# KiCad board Logic_0.kicad_pcb (continued)
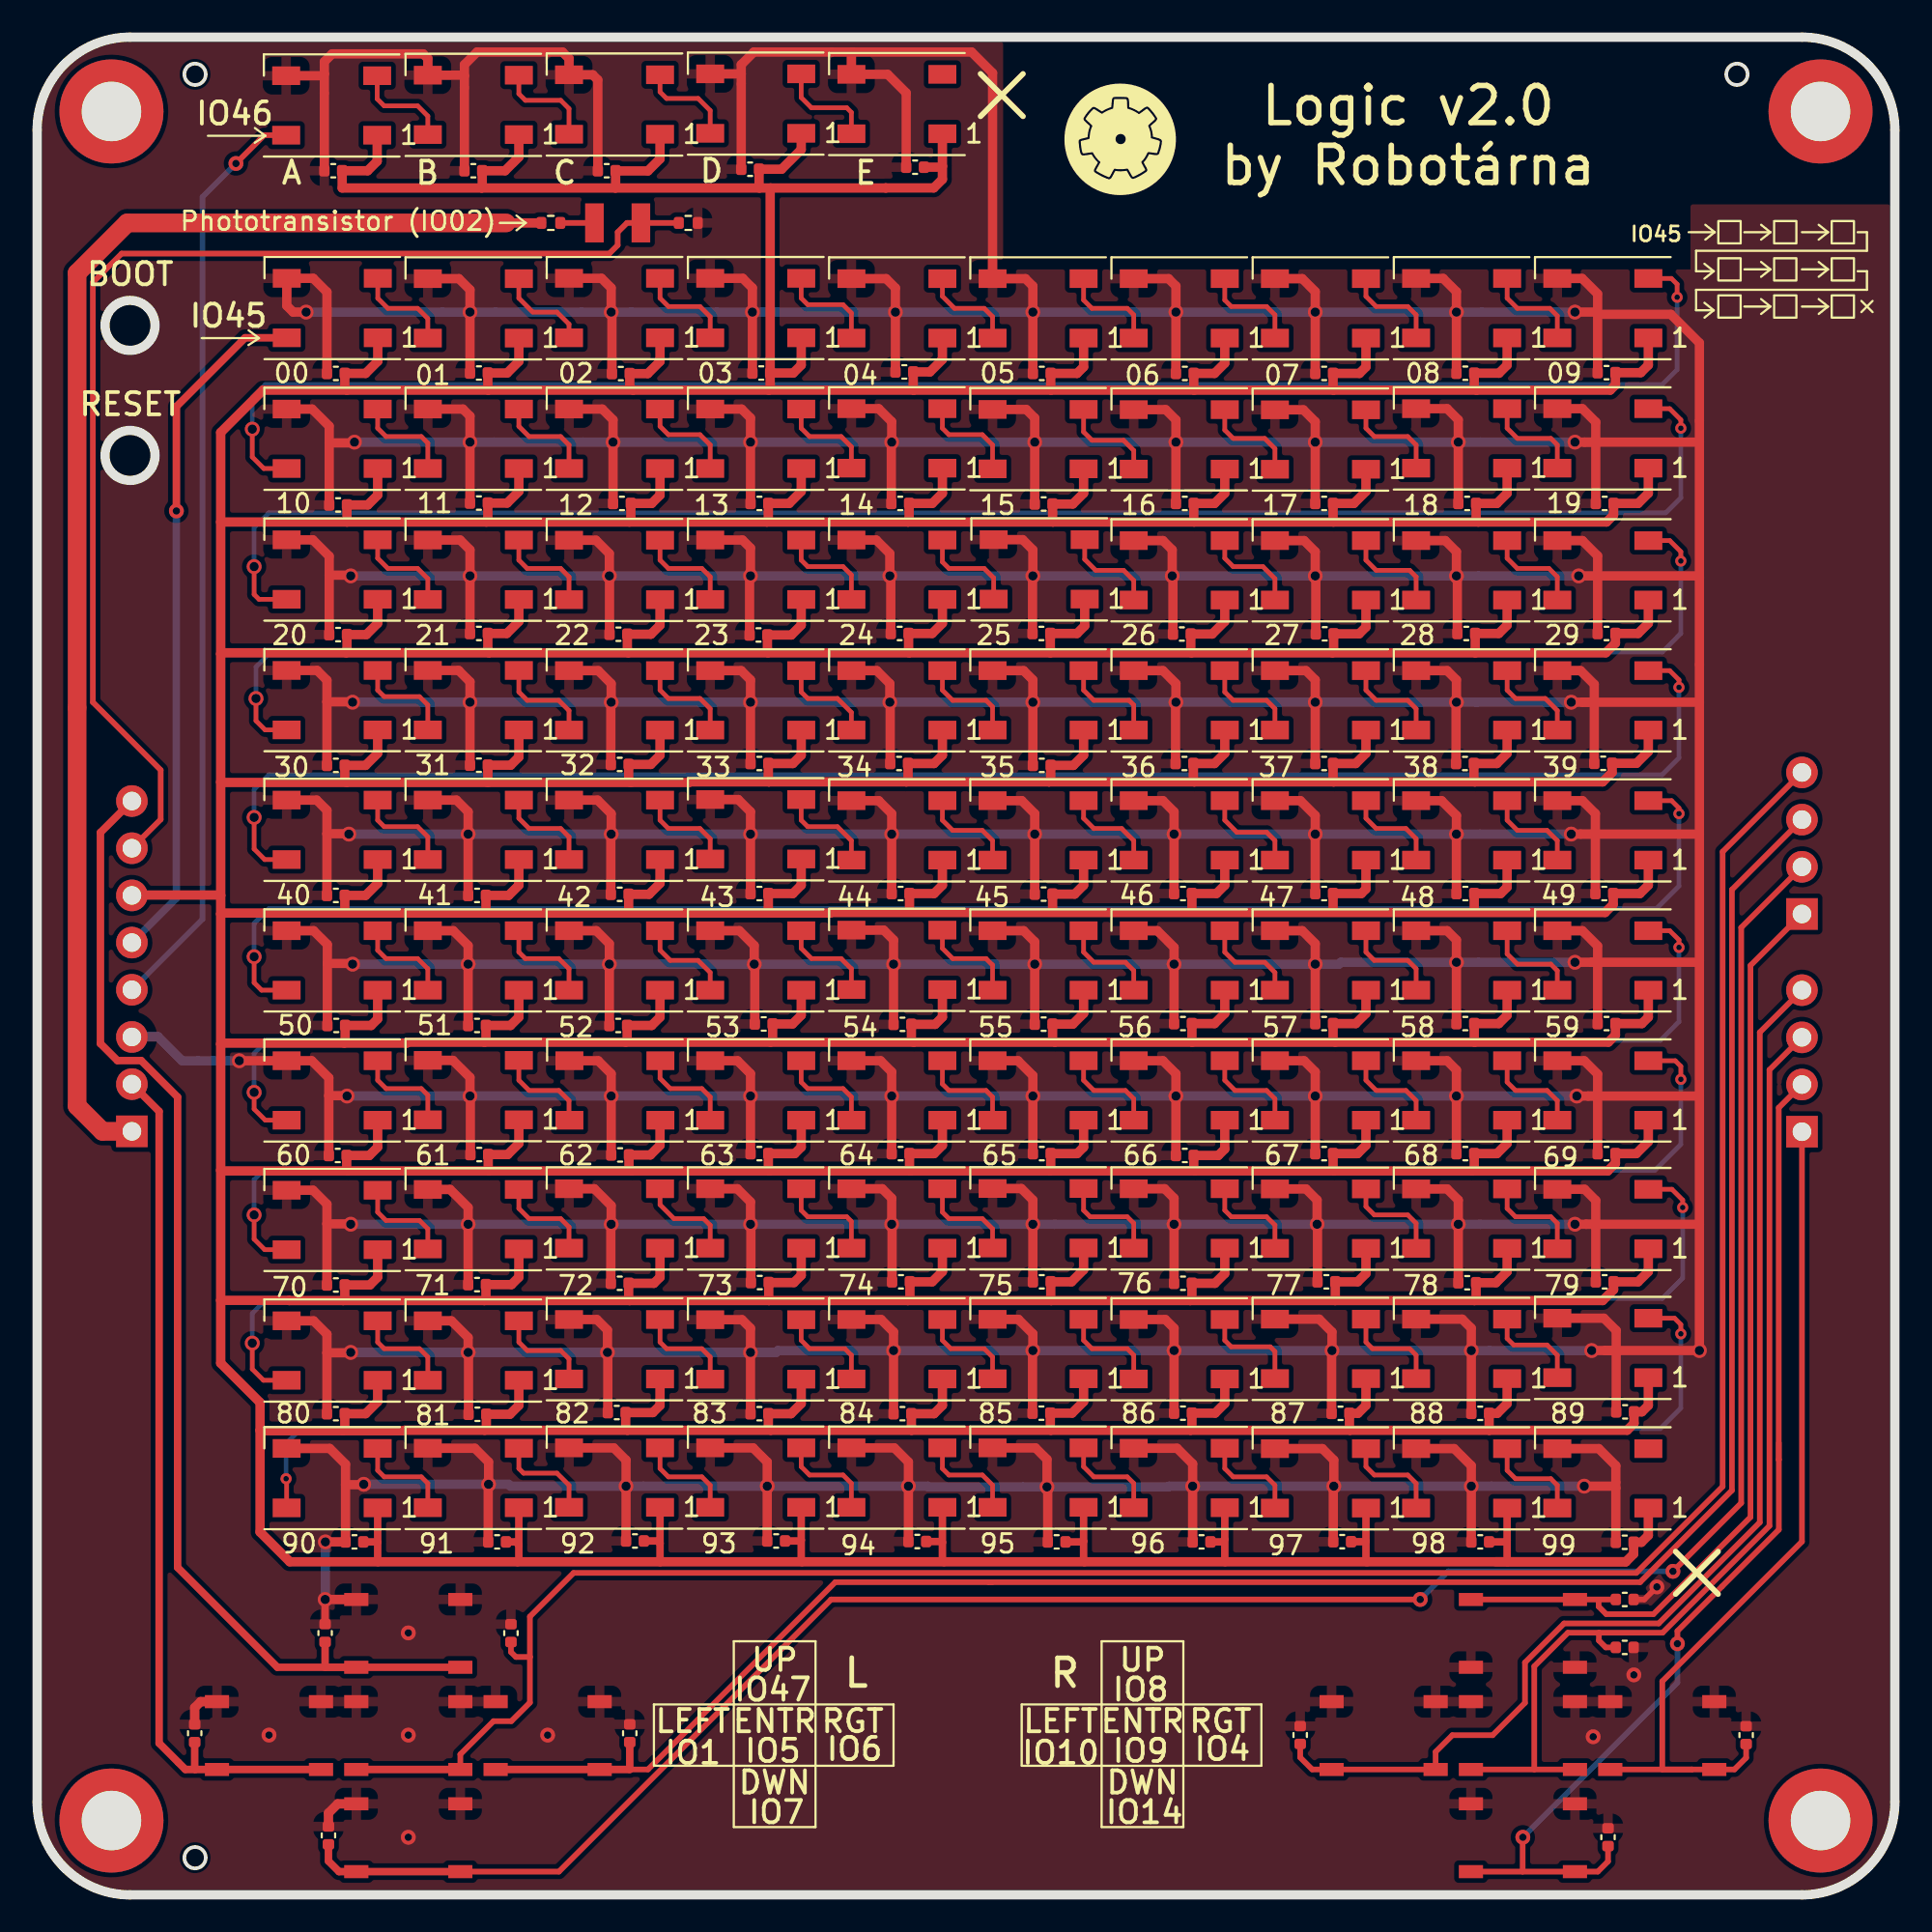
[diagram p0: board, top side]
## Nets
/ovladaci_prvky.sch/3V3: J4.1 R5.1
/ovladaci_prvky.sch/GND: C2.2 C3.2 C6.2 C7.2 C8.2 C9.2 C10.2 C11.1 C12.1 C13.1 C14.1 C15.2 C16.2 C17.1 C18.1 C19.1 C20.1 C21.2 C30.1 C31.2 C32.2 C33.2 C34.2 C35.2 C36.2 C37.2 C38.2 C39.2 C40.2 C41.2 C42.2 C43.2 C44.2 C45.2 C46.2 C47.2 C48.2 C49.2 C50.2 C51.2 C52.2 C53.2 C54.2 C55.2 C56.2 C57.2 C58.2 C59.2 C60.2 C61.2 C62.2 C63.2 C64.2 C65.2 C66.2 C67.2 C68.2 C69.2 C70.2 C71.2 C72.2 C73.2 C74.2 C75.2 C76.2 C77.2 C78.2 C79.2 C80.2 C81.2 C82.2 C83.2 C84.2 C85.2 C86.2 C87.2 C88.2 C89.2 C90.2 C91.2 C92.2 C93.2 C94.2 C95.2 C96.2 C97.2 C98.2 C99.2 C100.2 C101.2 C102.2 C103.2 C104.2 C105.2 C106.2 C107.2 C108.2 C109.2 C110.2 C111.2 C112.2 C113.2 C114.2 C115.2 C116.2 C117.2 C118.2 C119.2 C120.2 C121.2 C122.2 C123.2 C124.2 C125.2 C126.1 D3.3 D4.3 D5.3 D6.3 D12.3 D13.3 D14.3 D15.3 D16.3 D17.3 D18.3 D19.3 D20.3 D21.3 D22.3 D23.3 D24.3 D25.3 D26.3 D27.3 D28.3 D29.3 D30.3 D31.3 D32.3 D33.3 D34.3 D35.3 D36.3 D37.3 D38.3 D39.3 D40.3 D41.3 D42.3 D43.3 D44.3 D45.3 D46.3 D47.3 D48.3 D49.3 D50.3 D51.3 D52.3 D53.3 D54.3 D55.3 D56.3 D57.3 D58.3 D59.3 D60.3 D61.3 D62.3 D63.3 D64.3 D65.3 D66.3 D67.3 D68.3 D69.3 D70.3 D71.3 D72.3 D73.3 D74.3 D75.3 D76.3 D77.3 D78.3 D79.3 D80.3 D81.3 D82.3 D83.3 D84.3 D85.3 D86.3 D87.3 D88.3 D89.3 D90.3 D91.3 D93.3 D94.3 D95.3 D96.3 D97.3 D98.3 D99.3 D100.3 D101.3 D102.3 D103.3 D104.3 D105.3 D106.3 D107.3 D108.3 D109.3 D110.3 D111.3 D112.3 D113.3 J4.3 R13.2 SW2.2 SW3.2 SW4.2 SW5.2 SW7.2 SW8.2 SW9.2 SW10.2 SW11.2 SW12.2
/ovladaci_prvky.sch/DATA_HERNI_LED: D12.4 J4.5
/ovladaci_prvky.sch/DATA_ZADANI_LED: D3.4 J4.4
/ovladaci_prvky.sch/herni_pole_LED.sch/1.sch/DATA_OUT: D16.2 D17.4
/ovladaci_prvky.sch/herni_pole_LED.sch/2.sch/DATA_OUT: D21.2 D22.4
/ovladaci_prvky.sch/herni_pole_LED.sch/3.sch/DATA_OUT: D26.2 D27.4
/ovladaci_prvky.sch/herni_pole_LED.sch/4.sch/DATA_OUT: D31.2 D32.4
/ovladaci_prvky.sch/herni_pole_LED.sch/5.sch/DATA_OUT: D36.2 D37.4
/ovladaci_prvky.sch/herni_pole_LED.sch/6.sch/DATA_OUT: D41.2 D42.4
/ovladaci_prvky.sch/herni_pole_LED.sch/7.sch/DATA_OUT: D46.2 D47.4
/ovladaci_prvky.sch/herni_pole_LED.sch/8.sch/DATA_OUT: D51.2 D52.4
/ovladaci_prvky.sch/herni_pole_LED.sch/10.sch/DATA_IN: D56.2 D57.4
/ovladaci_prvky.sch/herni_pole_LED.sch/10.sch/DATA_OUT: D61.2 D62.4
/ovladaci_prvky.sch/herni_pole_LED.sch/11.sch/DATA_OUT: D66.2 D67.4
/ovladaci_prvky.sch/herni_pole_LED.sch/12.sch/DATA_OUT: D71.2 D72.4
/ovladaci_prvky.sch/herni_pole_LED.sch/13.sch/DATA_OUT: D76.2 D77.4
/ovladaci_prvky.sch/herni_pole_LED.sch/14.sch/DATA_OUT: D81.2 D82.4
/ovladaci_prvky.sch/herni_pole_LED.sch/15.sch/DATA_OUT: D86.2 D87.4
/ovladaci_prvky.sch/herni_pole_LED.sch/16.sch/DATA_OUT: D91.2 D93.4
/ovladaci_prvky.sch/herni_pole_LED.sch/17.sch/DATA_OUT: D97.2 D98.4
/ovladaci_prvky.sch/herni_pole_LED.sch/18.sch/DATA_OUT: D102.2 D103.4
/ovladaci_prvky.sch/herni_pole_LED.sch/19.sch/DATA_OUT: D107.2 D108.4
/ovladaci_prvky.sch/herni_pole_LED.sch/20.sch/DATA_OUT: D112.2
/ovladaci_prvky.sch/SENZOR_SVETLA: J4.7 Q3.2 R13.1
/ovladaci_prvky.sch/SW_2: C11.2 J6.4 SW2.1
/ovladaci_prvky.sch/SW_3: C12.2 J6.3 SW3.1
/ovladaci_prvky.sch/SW_4: C13.2 J5.4 SW4.1
/ovladaci_prvky.sch/SW_5: C14.2 J5.1 SW5.1
/ovladaci_prvky.sch/SW_7: C126.2 J4.2 SW7.1
/ovladaci_prvky.sch/SW_8: C17.2 J6.2 SW8.1
/ovladaci_prvky.sch/SW_9: C18.2 J5.2 SW9.1
/ovladaci_prvky.sch/SW_10: C19.2 J5.3 SW10.1
/ovladaci_prvky.sch/SW_11: C20.2 J6.1 SW11.1
/ovladaci_prvky.sch/SW_12: C30.2 J4.8 SW12.1
/ovladaci_prvky.sch/V_LED_1: C2.1 C3.1 C6.1 C7.1 C8.1 C9.1 C10.1 C15.1 C16.1 C21.1 C31.1 C32.1 C33.1 C34.1 C35.1 C36.1 C37.1 C38.1 C39.1 C40.1 C41.1 C42.1 C43.1 C44.1 C45.1 C46.1 C47.1 C48.1 C49.1 C50.1 C51.1 C52.1 C53.1 C54.1 C55.1 C56.1 C57.1 C58.1 C59.1 C60.1 C61.1 C62.1 C63.1 C64.1 C65.1 C66.1 C67.1 C68.1 C69.1 C70.1 C71.1 C72.1 C73.1 C74.1 C75.1 C76.1 C77.1 C78.1 C79.1 C80.1 C81.1 C82.1 C83.1 C84.1 C85.1 C86.1 C87.1 C88.1 C89.1 C90.1 C91.1 C92.1 C93.1 C94.1 C95.1 C96.1 C97.1 C98.1 C99.1 C100.1 C101.1 C102.1 C103.1 C104.1 C105.1 C106.1 C107.1 C108.1 C109.1 C110.1 C111.1 C112.1 C113.1 C114.1 C115.1 C116.1 C117.1 C118.1 C119.1 C120.1 C121.1 C122.1 C123.1 C124.1 C125.1 D3.1 D4.1 D5.1 D6.1 D12.1 D13.1 D14.1 D15.1 D16.1 D17.1 D18.1 D19.1 D20.1 D21.1 D22.1 D23.1 D24.1 D25.1 D26.1 D27.1 D28.1 D29.1 D30.1 D31.1 D32.1 D33.1 D34.1 D35.1 D36.1 D37.1 D38.1 D39.1 D40.1 D41.1 D42.1 D43.1 D44.1 D45.1 D46.1 D47.1 D48.1 D49.1 D50.1 D51.1 D52.1 D53.1 D54.1 D55.1 D56.1 D57.1 D58.1 D59.1 D60.1 D61.1 D62.1 D63.1 D64.1 D65.1 D66.1 D67.1 D68.1 D69.1 D70.1 D71.1 D72.1 D73.1 D74.1 D75.1 D76.1 D77.1 D78.1 D79.1 D80.1 D81.1 D82.1 D83.1 D84.1 D85.1 D86.1 D87.1 D88.1 D89.1 D90.1 D91.1 D93.1 D94.1 D95.1 D96.1 D97.1 D98.1 D99.1 D100.1 D101.1 D102.1 D103.1 D104.1 D105.1 D106.1 D107.1 D108.1 D109.1 D110.1 D111.1 D112.1 D113.1 J4.6
Net-(D3-Pad2): D3.2 D4.4
Net-(D4-Pad2): D4.2 D5.4
Net-(D5-Pad2): D5.2 D6.4
Net-(D12-Pad2): D12.2 D13.4
Net-(D13-Pad2): D13.2 D14.4
Net-(D14-Pad2): D14.2 D15.4
Net-(D15-Pad2): D15.2 D16.4
Net-(D17-Pad2): D17.2 D18.4
Net-(D18-Pad2): D18.2 D19.4
Net-(D19-Pad2): D19.2 D20.4
Net-(D20-Pad2): D20.2 D21.4
Net-(D22-Pad2): D22.2 D23.4
Net-(D23-Pad2): D23.2 D24.4
Net-(D24-Pad2): D24.2 D25.4
Net-(D25-Pad2): D25.2 D26.4
Net-(D27-Pad2): D27.2 D28.4
Net-(D28-Pad2): D28.2 D29.4
Net-(D29-Pad2): D29.2 D30.4
Net-(D30-Pad2): D30.2 D31.4
Net-(D32-Pad2): D32.2 D33.4
Net-(D33-Pad2): D33.2 D34.4
Net-(D34-Pad2): D34.2 D35.4
Net-(D35-Pad2): D35.2 D36.4
Net-(D37-Pad2): D37.2 D38.4
Net-(D38-Pad2): D38.2 D39.4
Net-(D39-Pad2): D39.2 D40.4
Net-(D40-Pad2): D40.2 D41.4
Net-(D42-Pad2): D42.2 D43.4
Net-(D43-Pad2): D43.2 D44.4
Net-(D44-Pad2): D44.2 D45.4
Net-(D45-Pad2): D45.2 D46.4
Net-(D47-Pad2): D47.2 D48.4
Net-(D48-Pad2): D48.2 D49.4
Net-(D49-Pad2): D49.2 D50.4
Net-(D50-Pad2): D50.2 D51.4
Net-(D52-Pad2): D52.2 D53.4
Net-(D53-Pad2): D53.2 D54.4
Net-(D54-Pad2): D54.2 D55.4
Net-(D55-Pad2): D55.2 D56.4
Net-(D57-Pad2): D57.2 D58.4
Net-(D58-Pad2): D58.2 D59.4
Net-(D59-Pad2): D59.2 D60.4
Net-(D60-Pad2): D60.2 D61.4
Net-(D62-Pad2): D62.2 D63.4
Net-(D63-Pad2): D63.2 D64.4
Net-(D64-Pad2): D64.2 D65.4
Net-(D65-Pad2): D65.2 D66.4
Net-(D67-Pad2): D67.2 D68.4
Net-(D68-Pad2): D68.2 D69.4
Net-(D69-Pad2): D69.2 D70.4
Net-(D70-Pad2): D70.2 D71.4
Net-(D72-Pad2): D72.2 D73.4
Net-(D73-Pad2): D73.2 D74.4
Net-(D74-Pad2): D74.2 D75.4
Net-(D75-Pad2): D75.2 D76.4
Net-(D77-Pad2): D77.2 D78.4
Net-(D78-Pad2): D78.2 D79.4
Net-(D79-Pad2): D79.2 D80.4
Net-(D80-Pad2): D80.2 D81.4
Net-(D82-Pad2): D82.2 D83.4
Net-(D83-Pad2): D83.2 D84.4
Net-(D84-Pad2): D84.2 D85.4
Net-(D85-Pad2): D85.2 D86.4
Net-(D87-Pad2): D87.2 D88.4
Net-(D88-Pad2): D88.2 D89.4
Net-(D89-Pad2): D89.2 D90.4
Net-(D90-Pad2): D90.2 D91.4
Net-(D93-Pad2): D93.2 D94.4
Net-(D94-Pad2): D94.2 D95.4
Net-(D95-Pad2): D95.2 D96.4
Net-(D96-Pad2): D96.2 D97.4
Net-(D98-Pad2): D98.2 D99.4
Net-(D100-Pad2): D100.2 D101.4
Net-(D100-Pad4): D99.2 D100.4
Net-(D101-Pad2): D101.2 D102.4
Net-(D103-Pad2): D103.2 D104.4
Net-(D104-Pad2): D104.2 D105.4
Net-(D105-Pad2): D105.2 D106.4
Net-(D106-Pad2): D106.2 D107.4
Net-(D108-Pad2): D108.2 D109.4
Net-(D109-Pad2): D109.2 D110.4
Net-(D110-Pad2): D110.2 D111.4
Net-(D111-Pad2): D111.2 D112.4
Net-(D113-Pad4): D6.2 D113.4
Net-(Q3-Pad1): Q3.1 R5.2

Pads without a net: D113 2; H5 1; H6 1; H7 1; H8 1

## Via types
v1: diameter 0.8, hole 0.5, Top to Bottom, 112 vias
v2: diameter 0.6, hole 0.3, Top to Bottom, 10 vias
v3: diameter 0.8, hole 0.4, Top to Bottom, 14 vias

## Routing (per net, layer and track width the routed paths; a pad name or vN(x,y) marks a point on that pad's centre or on a via; arc(x,y) is an arc through that point)
/ovladaci_prvky.sch/3V3: length 74.5
  Top w0.5: 25.25,90 R5.1
  Top w1: J4.1 3.52,41.1 2.15,42.47 2.15,87.3 4.85,90 25.25,90
/ovladaci_prvky.sch/GND: length 1593.7
  Top w0.3: C20.1 86.52,15.9 v3(87.19,16.57)
  Top w0.4: C30.1 15.5,15.87 15.47,15.9
  Top w0.5: D33.3 22.77,72.93 23.3,72.4 v1(23.3,71) C46.2 ; C73.2 v1(76.4,57.1) 76.4,58.1 75.6,58.9 D60.3 ; v1(16.98,50.1) 16.94,50.14 15.62,50.14 ; 84,70.98 C54.2 ; 84,70.98 83.98,71 ; 84,70.98 84,72.08 83.18,72.9 D41.3 ; D111.3 76.28,24.02 77.2,23.1 v1(77.2,22) C123.2 ; C71.2 v1(61.2,57.1) 61.2,58.3 60.6,58.9 D58.3 ; SW7.2 8.8,10.4 8.48,10.08 C126.1 ; v1(17.08,78.2) 17.04,78.16 15.72,78.16 ; C66.2 v1(23.2,57.1) 23.2,58.3 22.57,58.93 D53.3 ; C101.2 v1(61.2,36.1) 61.2,37.5 60.69,38.01 D88.3 ; D28.3 60.75,79.95 61.3,79.4 v1(61.3,78.2) C41.2 ; D59.3 68,58.9 68.8,58.1 v1(68.8,57.1) C72.2 ; SW8.2 16.18,4.9 15.68,4.4 C17.1 ; D46.3 45.2,65.9 45.9,65.2 v1(45.9,64.2) 45.92,64.18 C59.2 ; C119.2 v1(46.9,22) 46.9,23.3 46.14,24.06 D107.3 ; 23,97.92 C8.2 ; 23,97.92 23,98.52 23.68,99.2 28.28,99.2 28.63,98.85 D5.3 29.91,97.97 30.18,97.7 C9.2 ; 23,97.92 22.97,97.95 D4.3 21.03,98.85 20.78,99.1 15.88,99.1 15.46,98.68 15.46,98.02 ; C32.2 v1(23.3,85.2) 23.3,86.4 22.7,87 D13.3 ; C76.2 v1(23.2,50.1) 23.2,51.1 22.4,51.9 D63.3 ; C6.2 v1(61.3,85.2) 61.3,86.6 60.9,87 D18.3 ; C109.2 v1(46.1,29.3) 46.1,30.3 45.43,30.97 D97.3 ; D22.3 14.8,79.98 15.72,79.06 15.72,78.16 ; D21.3 83.17,87.01 84,86.18 84,85.08 ; 84.38,29.3 v1(89.48,29.3) 89.48,36.1 ; 84.38,29.3 v1(83.68,29.3) ; 84.38,29.3 84.88,29.3 85,29.18 ; C88.2 v1(38.4,43) 38.4,44.2 37.7,44.9 D75.3 ; C81.2 v1(61.2,50.1) 61.2,51 60.3,51.9 D68.3 ; 15.6,64.22 C55.2 ; 15.6,64.22 16.96,64.22 v1(16.98,64.2) ; 15.6,64.22 15.6,65.38 15.07,65.91 D42.3 ; C37.2 v1(31,78.2) 31,79.4 30.42,79.98 D24.3 ; v1(15.51,15.9) 15.47,15.9 SW12.2 ; 37.9,98.02 37.9,98.52 38.58,99.2 43.88,99.2 ; 37.9,98.02 C10.2 ; 37.9,98.02 37.9,98.02 D6.3 ; D96.3 37.94,30.96 38.4,30.5 v1(38.4,29.2) C108.2 ; C77.2 v1(30.8,50.1) 30.8,51.2 30.1,51.9 D64.3 ; C122.2 69.77,21.97 v1(69.8,22) 69.8,23.4 69.18,24.02 D110.3 ; C61.2 61.28,64.18 v1(61.3,64.2) 61.3,65.2 60.6,65.9 D48.3 ; D83.3 22.23,37.97 23.2,37 v1(23.2,36.1) C96.2 ; 84,50.18 83.98,50.2 83.68,50.2 ; 84,50.18 C84.2 ; 84,50.18 84,51.08 83.18,51.9 D71.3 ; D66.3 45.57,51.93 46.1,51.4 v1(46.1,50.1) C79.2 ; 83.82,64.34 C64.2 ; 83.82,64.34 83.68,64.2 83.18,64.2 ; 83.82,64.34 83.82,65.16 83.08,65.9 D51.3 ; 83.18,64.2 89.48,64.2 ; 83.18,64.2 v1(82.58,64.2) ; 89.48,64.2 89.48,70.9 ; 89.48,64.2 89.48,57.1 ; D62.3 14.88,51.9 15.62,51.16 15.62,50.14 ; C107.2 30.72,29.18 v1(30.7,29.2) 30.7,30.4 30.13,30.97 D95.3 ; C89.2 v1(46,43) 46,44.3 45.4,44.9 D76.3 ; D19.3 68.1,87 68.8,86.3 v1(68.8,85.2) C15.2 ; D103.3 15.75,24.03 16.6,23.18 16.6,22.08 ; C53.2 76.45,70.95 v1(76.4,71) 76.4,72.3 75.8,72.9 D40.3 ; C67.2 30.88,57.08 v1(30.9,57.1) 30.9,58.2 30.17,58.93 D54.3 ; 15.46,98.02 15.36,97.92 D3.3 ; 15.46,98.02 C7.2 ; C98.2 38.42,36.08 v1(38.4,36.1) 38.4,37.3 37.69,38.01 D85.3 ; C86.2 23.32,42.98 v1(23.3,43) 23.3,44 22.38,44.92 D73.3 ; 15.7,43.02 15.7,43.98 14.78,44.9 D72.3 v1(10.88,44.9) ; 15.7,43.02 C85.2 ; 15.7,43.02 16.66,43.02 v1(16.68,43) ; C36.2 v1(23.3,78.2) 23.3,79.6 22.92,79.98 D23.3 ; C80.2 v1(53.7,50.1) 53.7,51.3 53.1,51.9 D67.3 ; C116.2 24.28,22.08 v1(24.3,22.1) 24.3,23.3 23.56,24.04 D104.3 ; D109.3 61.36,24.04 62.2,23.2 v1(62.2,22) C121.2 ; C102.2 68.92,36.08 v1(68.9,36.1) 68.9,37.4 68.3,38 D89.3 ; v1(14.48,85.2) 13.78,85.2 13.44,85.54 D12.3 14.86,87.02 15.6,86.28 C31.2 ; 15.6,57.12 C65.2 ; 15.6,57.12 16.76,57.12 v1(16.78,57.1) ; 15.6,57.12 15.6,58.38 15.05,58.93 D52.3 ; 83.08,57.1 83.78,57.1 83.88,57 ; 83.08,57.1 v1(82.58,57.1) ; 83.08,57.1 89.48,57.1 ; C118.2 v1(39.3,22) 39.3,23.3 38.54,24.06 D106.3 ; C113.2 v1(77.2,29.3) 77.2,30.5 76.71,30.99 D101.3 ; 83.48,43 89.48,43 ; 83.48,43 83.88,43 84,43.12 ; 83.48,43 v1(82.88,43) ; 89.48,43 89.48,36.1 ; 89.48,43 89.48,50.3 ; D86.3 45.49,38.01 46,37.5 v1(46,36.1) 46.02,36.08 C99.2 ; C2.2 v1(46.2,85.2) 46.2,86.5 45.7,87 D16.3 ; 84,43.12 C94.2 ; 84,43.12 84,44.18 83.28,44.9 D81.3 ; D70.3 75.9,51.9 76.4,51.4 v1(76.4,50.2) C83.2 ; C58.2 v1(38.4,64.2) 38.4,65.4 37.9,65.9 D45.3 ; 15.72,71.04 C45.2 ; 15.72,71.04 15.72,72.06 14.84,72.94 D32.3 ; 15.72,71.04 16.84,71.04 v1(16.88,71) ; C69.2 v1(46,57.1) 46,58.2 45.3,58.9 D56.3 ; D91.3 83.3,37.98 83.9,37.38 83.9,35.98 ; 83.38,36.1 83.78,36.1 83.9,35.98 ; 83.38,36.1 v1(82.78,36.1) ; 83.38,36.1 89.48,36.1 ; D90.3 75.9,38 76.5,37.4 v1(76.5,36.1) C103.2 ; 84.98,21.9 84.88,22 v1(83.28,22) ; 84.98,21.9 84.98,23.1 84.06,24.02 D112.3 ; 84.98,21.9 C124.2 ; 15.6,36.12 16.86,36.12 v1(16.88,36.1) ; 15.6,36.12 15.6,37.18 14.85,37.93 D82.3 ; 15.6,36.12 C95.2 ; 16.6,22.08 17.56,22.08 v1(17.58,22.1) ; 16.6,22.08 C115.2 v1(15.52,19) ; v1(82.78,50.2) 83.68,50.2 ; 83.68,50.2 89.38,50.2 89.48,50.3 ; C38.2 v1(38.4,78.2) 38.4,79.5 37.92,79.98 D25.3 ; 43.88,99.2 43.83,99.15 D113.3 45.78,98 46.78,97 C125.2 ; 43.88,99.2 50.3,99.2 51.43,98.07 D17.3 53.2,87 53.6,86.6 v1(53.6,85.2) C3.2 ; v1(82.78,85.2) 83.88,85.2 84,85.08 ; D78.3 60.6,44.9 61.3,44.2 v1(61.3,43) C91.2 ; D50.3 75.9,65.9 76.4,65.4 v1(76.4,64.2) 76.38,64.18 C63.2 ; v1(16.88,29.2) 16.86,29.18 15.6,29.18 ; C34.2 v1(38.5,85.2) 38.5,86.5 37.98,87.02 D15.3 ; D47.3 53.1,65.9 53.6,65.4 v1(53.6,64.2) C60.2 ; C52.2 68.83,70.97 v1(68.8,71) 68.8,72.3 68.2,72.9 D39.3 ; D37.3 53.05,72.95 53.6,72.4 v1(53.6,71) 53.58,70.98 C50.2 ; D14.3 30.38,87.02 30.9,86.5 v1(30.9,85.2) 30.94,85.16 C33.2 ; C82.2 v1(68.8,50.1) 68.8,51.2 68.1,51.9 D69.3 ; D77.3 52.8,44.9 53.6,44.1 v1(53.6,43) C90.2 ; 83.9,35.98 C104.2 ; D29.3 68.16,79.94 68.8,79.3 v1(68.8,78.2) C42.2 ; D79.3 68.2,44.9 68.8,44.3 v1(68.8,43) C92.2 ; D65.3 37.8,51.9 38.6,51.1 v1(38.6,50.1) 38.63,50.07 C78.2 ; 83.98,71 89.38,71 89.48,70.9 ; 83.98,71 v1(82.98,71) ; 85,29.18 C114.2 ; 85,29.18 85,30.38 84.34,31.04 D102.3 ; C48.2 38.35,70.95 v1(38.4,71) 38.4,72.5 37.97,72.93 D35.3 ; C51.2 61.14,70.96 v1(61.1,71) 61.1,72.4 60.6,72.9 D38.3 ; 15.6,29.18 15.6,30.18 14.88,30.9 D93.3 ; 15.6,29.18 C105.2 ; C16.2 v1(76.4,85.2) 76.4,86.3 75.69,87.01 D20.3 ; C56.2 v1(23.3,64.2) 23.3,65.3 22.69,65.91 D43.3 ; D57.3 53,58.9 53.7,58.2 v1(53.7,57.1) C70.2 ; 89.48,50.3 89.48,57.1 ; 89.48,70.9 89.48,78.2 ; 89.48,78.2 89.48,83.54 87.94,85.08 84,85.08 ; 89.48,78.2 83.28,78.2 ; 83.88,57 C74.2 ; 83.88,57 83.88,58.2 83.18,58.9 D61.3 ; 15.62,50.14 C75.2 ; C39.2 45.98,78.18 v1(46,78.2) 46,79.3 45.3,80 D26.3 ; 84,85.08 C21.2 ; C40.2 v1(53.7,78.2) 53.7,79.5 53.24,79.96 D27.3 ; D36.3 45.17,72.93 45.9,72.2 v1(45.9,71) 45.95,70.95 C49.2 ; C43.2 v1(76.5,78.2) 76.5,79.4 75.9,80 D30.3 ; C117.2 v1(31.7,22) 31.7,23.4 31.04,24.06 D105.3 ; 15.72,78.16 C35.2 ; C112.2 69.68,29.28 v1(69.7,29.3) 69.7,30.3 69.01,30.99 D100.3 ; D49.3 68.3,65.9 68.8,65.4 v1(68.8,64.2) C62.2 ; C100.2 v1(53.6,36.1) 53.6,37.4 52.98,38.02 D87.3 ; C111.2 v1(61.2,29.3) 61.2,30.5 60.73,30.97 D99.3 ; C57.2 30.88,64.18 v1(30.9,64.2) 30.9,65.2 30.2,65.9 D44.3 ; 83.28,78.2 83.88,78.2 83.9,78.22 ; 83.28,78.2 v1(82.78,78.2) ; 83.9,78.22 C44.2 ; 83.9,78.22 83.9,79.28 83.18,80 D31.3 ; C68.2 v1(38.4,57.1) 38.4,58.3 37.74,58.96 D55.3 ; D84.3 29.99,38.01 30.9,37.1 v1(30.9,36.1) 30.88,36.08 C97.2 ; C87.2 v1(30.9,43) 30.9,44.2 30.2,44.9 D74.3 ; C47.2 30.81,70.99 v1(30.8,71) 30.8,72.2 30.08,72.92 D34.3 ; C106.2 23.22,29.18 v1(23.2,29.2) 23.2,30 22.3,30.9 D94.3 ; D80.3 75.9,44.9 76.4,44.4 v1(76.4,43) C93.2 ; C110.2 53.58,29.28 v1(53.6,29.3) 53.6,30.2 52.82,30.98 D98.3 ; C120.2 54.4,21.92 v1(54.36,21.96) 54.36,23.44 53.74,24.06 D108.3
  Bottom w0.5: v1(16.98,64.2) v1(23.3,64.2) v1(30.9,64.2) v1(38.4,64.2) v1(45.9,64.2) v1(53.6,64.2) v1(61.3,64.2) v1(68.8,64.2) v1(76.4,64.2) v1(82.58,64.2) ; v1(16.88,36.1) v1(23.2,36.1) v1(30.9,36.1) v1(38.4,36.1) v1(46,36.1) v1(53.6,36.1) v1(61.2,36.1) v1(68.9,36.1) v1(76.5,36.1) v1(82.78,36.1) ; v1(83.28,22) v1(77.2,22) v1(69.8,22) v1(62.2,22) 60.94,22 60.9,21.96 v1(54.36,21.96) 47.98,21.96 47.94,22 v1(46.9,22) v1(39.3,22) v1(31.7,22) 25.48,22 25.38,22.1 v1(24.3,22.1) v1(17.58,22.1) ; v1(16.78,57.1) v1(23.2,57.1) v1(30.9,57.1) v1(38.4,57.1) v1(46,57.1) v1(53.7,57.1) v1(61.2,57.1) v1(68.8,57.1) v1(76.4,57.1) v1(82.58,57.1) ; v1(82.78,50.2) v1(76.4,50.2) 70.18,50.2 70.08,50.1 v1(68.8,50.1) v1(61.2,50.1) v1(53.7,50.1) v1(46.1,50.1) v1(38.6,50.1) v1(30.8,50.1) v1(23.2,50.1) v1(16.98,50.1) ; v1(15.52,19) 15.52,15.91 v1(15.51,15.9) ; v1(82.88,43) v1(76.4,43) v1(68.8,43) v1(61.3,43) v1(53.6,43) v1(46,43) v1(38.4,43) v1(30.9,43) v1(23.3,43) v1(16.68,43) ; v1(16.88,29.2) v1(23.2,29.2) v1(30.7,29.2) v1(38.4,29.2) 39.78,29.2 39.88,29.3 v1(46.1,29.3) v1(53.6,29.3) v1(61.2,29.3) v1(69.7,29.3) v1(77.2,29.3) v1(83.68,29.3) ; v1(82.78,78.2) v1(76.5,78.2) v1(68.8,78.2) v1(61.3,78.2) v1(53.7,78.2) v1(46,78.2) v1(38.4,78.2) v1(31,78.2) v1(23.3,78.2) v1(17.08,78.2) ; v1(82.78,85.2) v1(76.4,85.2) v1(68.8,85.2) v1(61.3,85.2) v1(53.6,85.2) v1(46.2,85.2) v1(38.5,85.2) v1(30.9,85.2) v1(23.3,85.2) v1(14.48,85.2) ; v1(10.88,44.9) 7.8,44.9 6.5,46.2 5,46.2 ; v1(82.98,71) v1(76.4,71) v1(68.8,71) v1(61.1,71) v1(53.6,71) v1(45.9,71) v1(38.4,71) v1(30.8,71) v1(23.3,71) v1(16.88,71)
  vias: v3(12.48,8.6) v3(19.98,14.1) v3(19.98,8.6) v3(19.98,3.1) v3(27.48,8.6) v3(83.76,8.51) v3(85.95,11.84)